# Altium PCB DCI_MB1137 - saved2.PcbDoc (part 1 of 2)
Units mm, origin at the board's own origin, x right, y up, seen from the top; angles counter-clockwise.
Board outline 74.3 x 76.2 mm, 6 copper layers (Top Layer, Top Internal, VDD, GND, Bottom Internal, Bottom Layer), stack 1.114 mm thick; 155 components, 194 nets, 597 pads, 297 vias.
Unrouted connection lines stored in the file: 10.
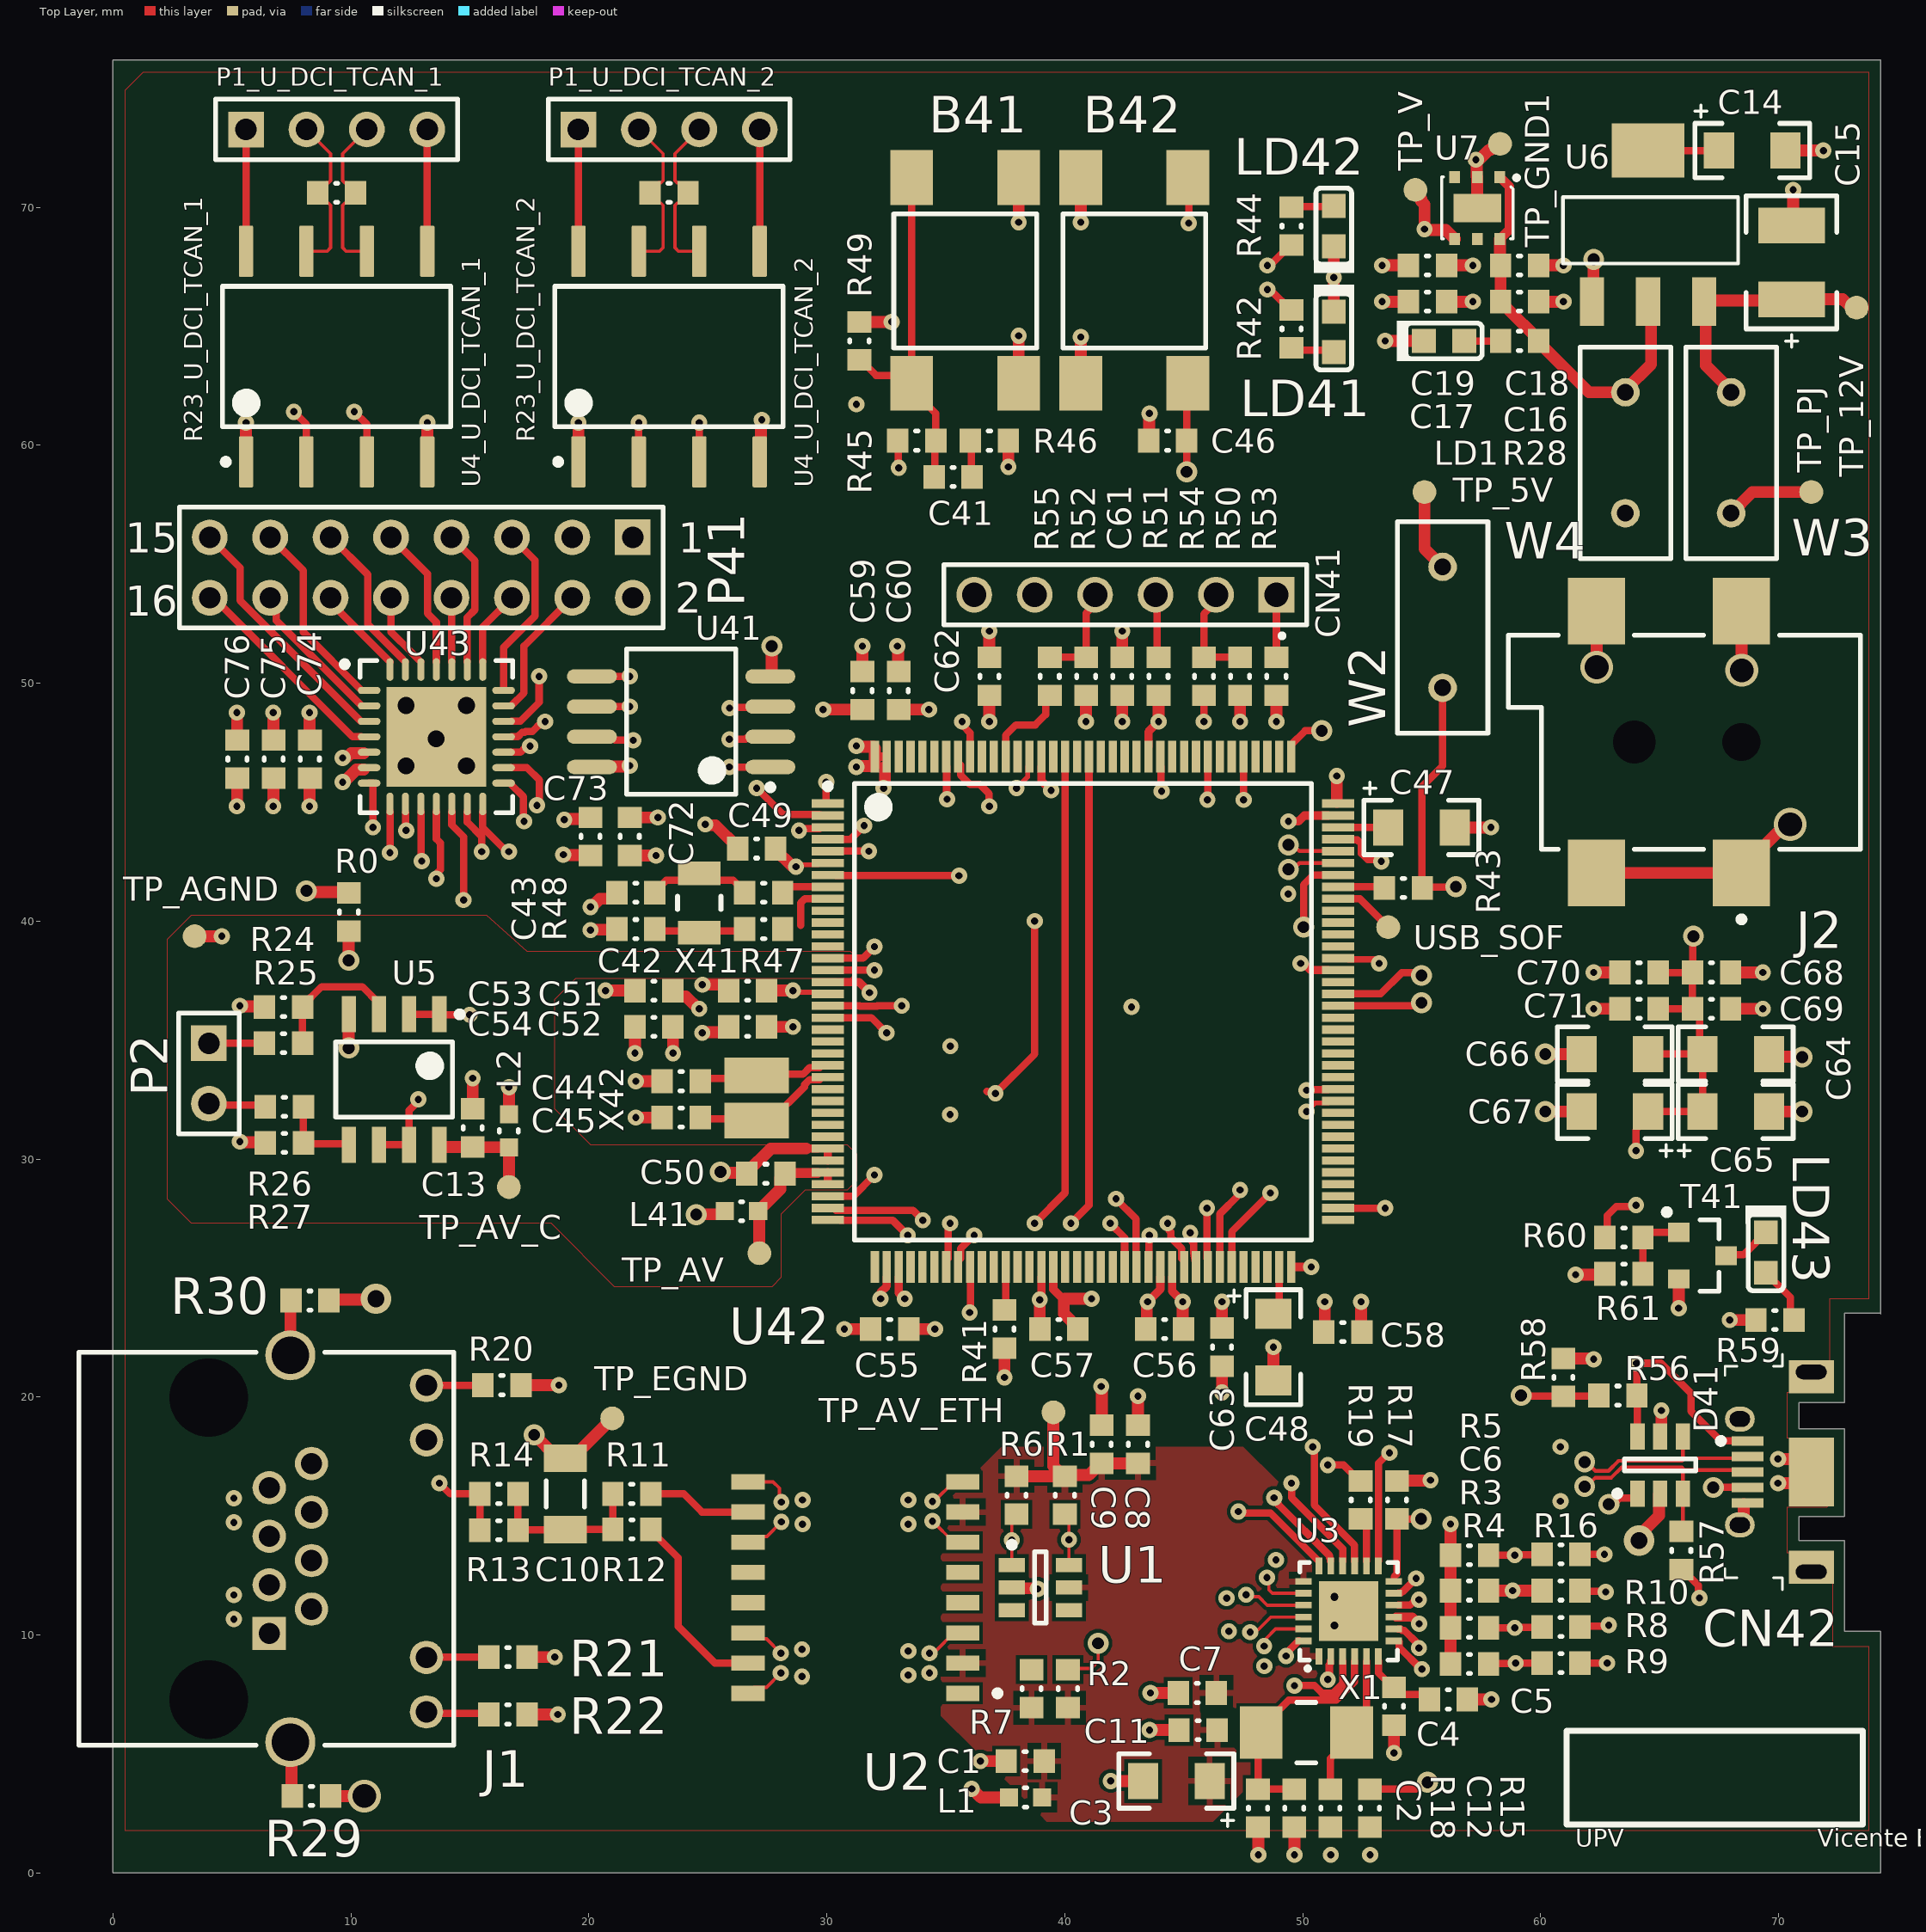
[diagram p0: Top Layer view]
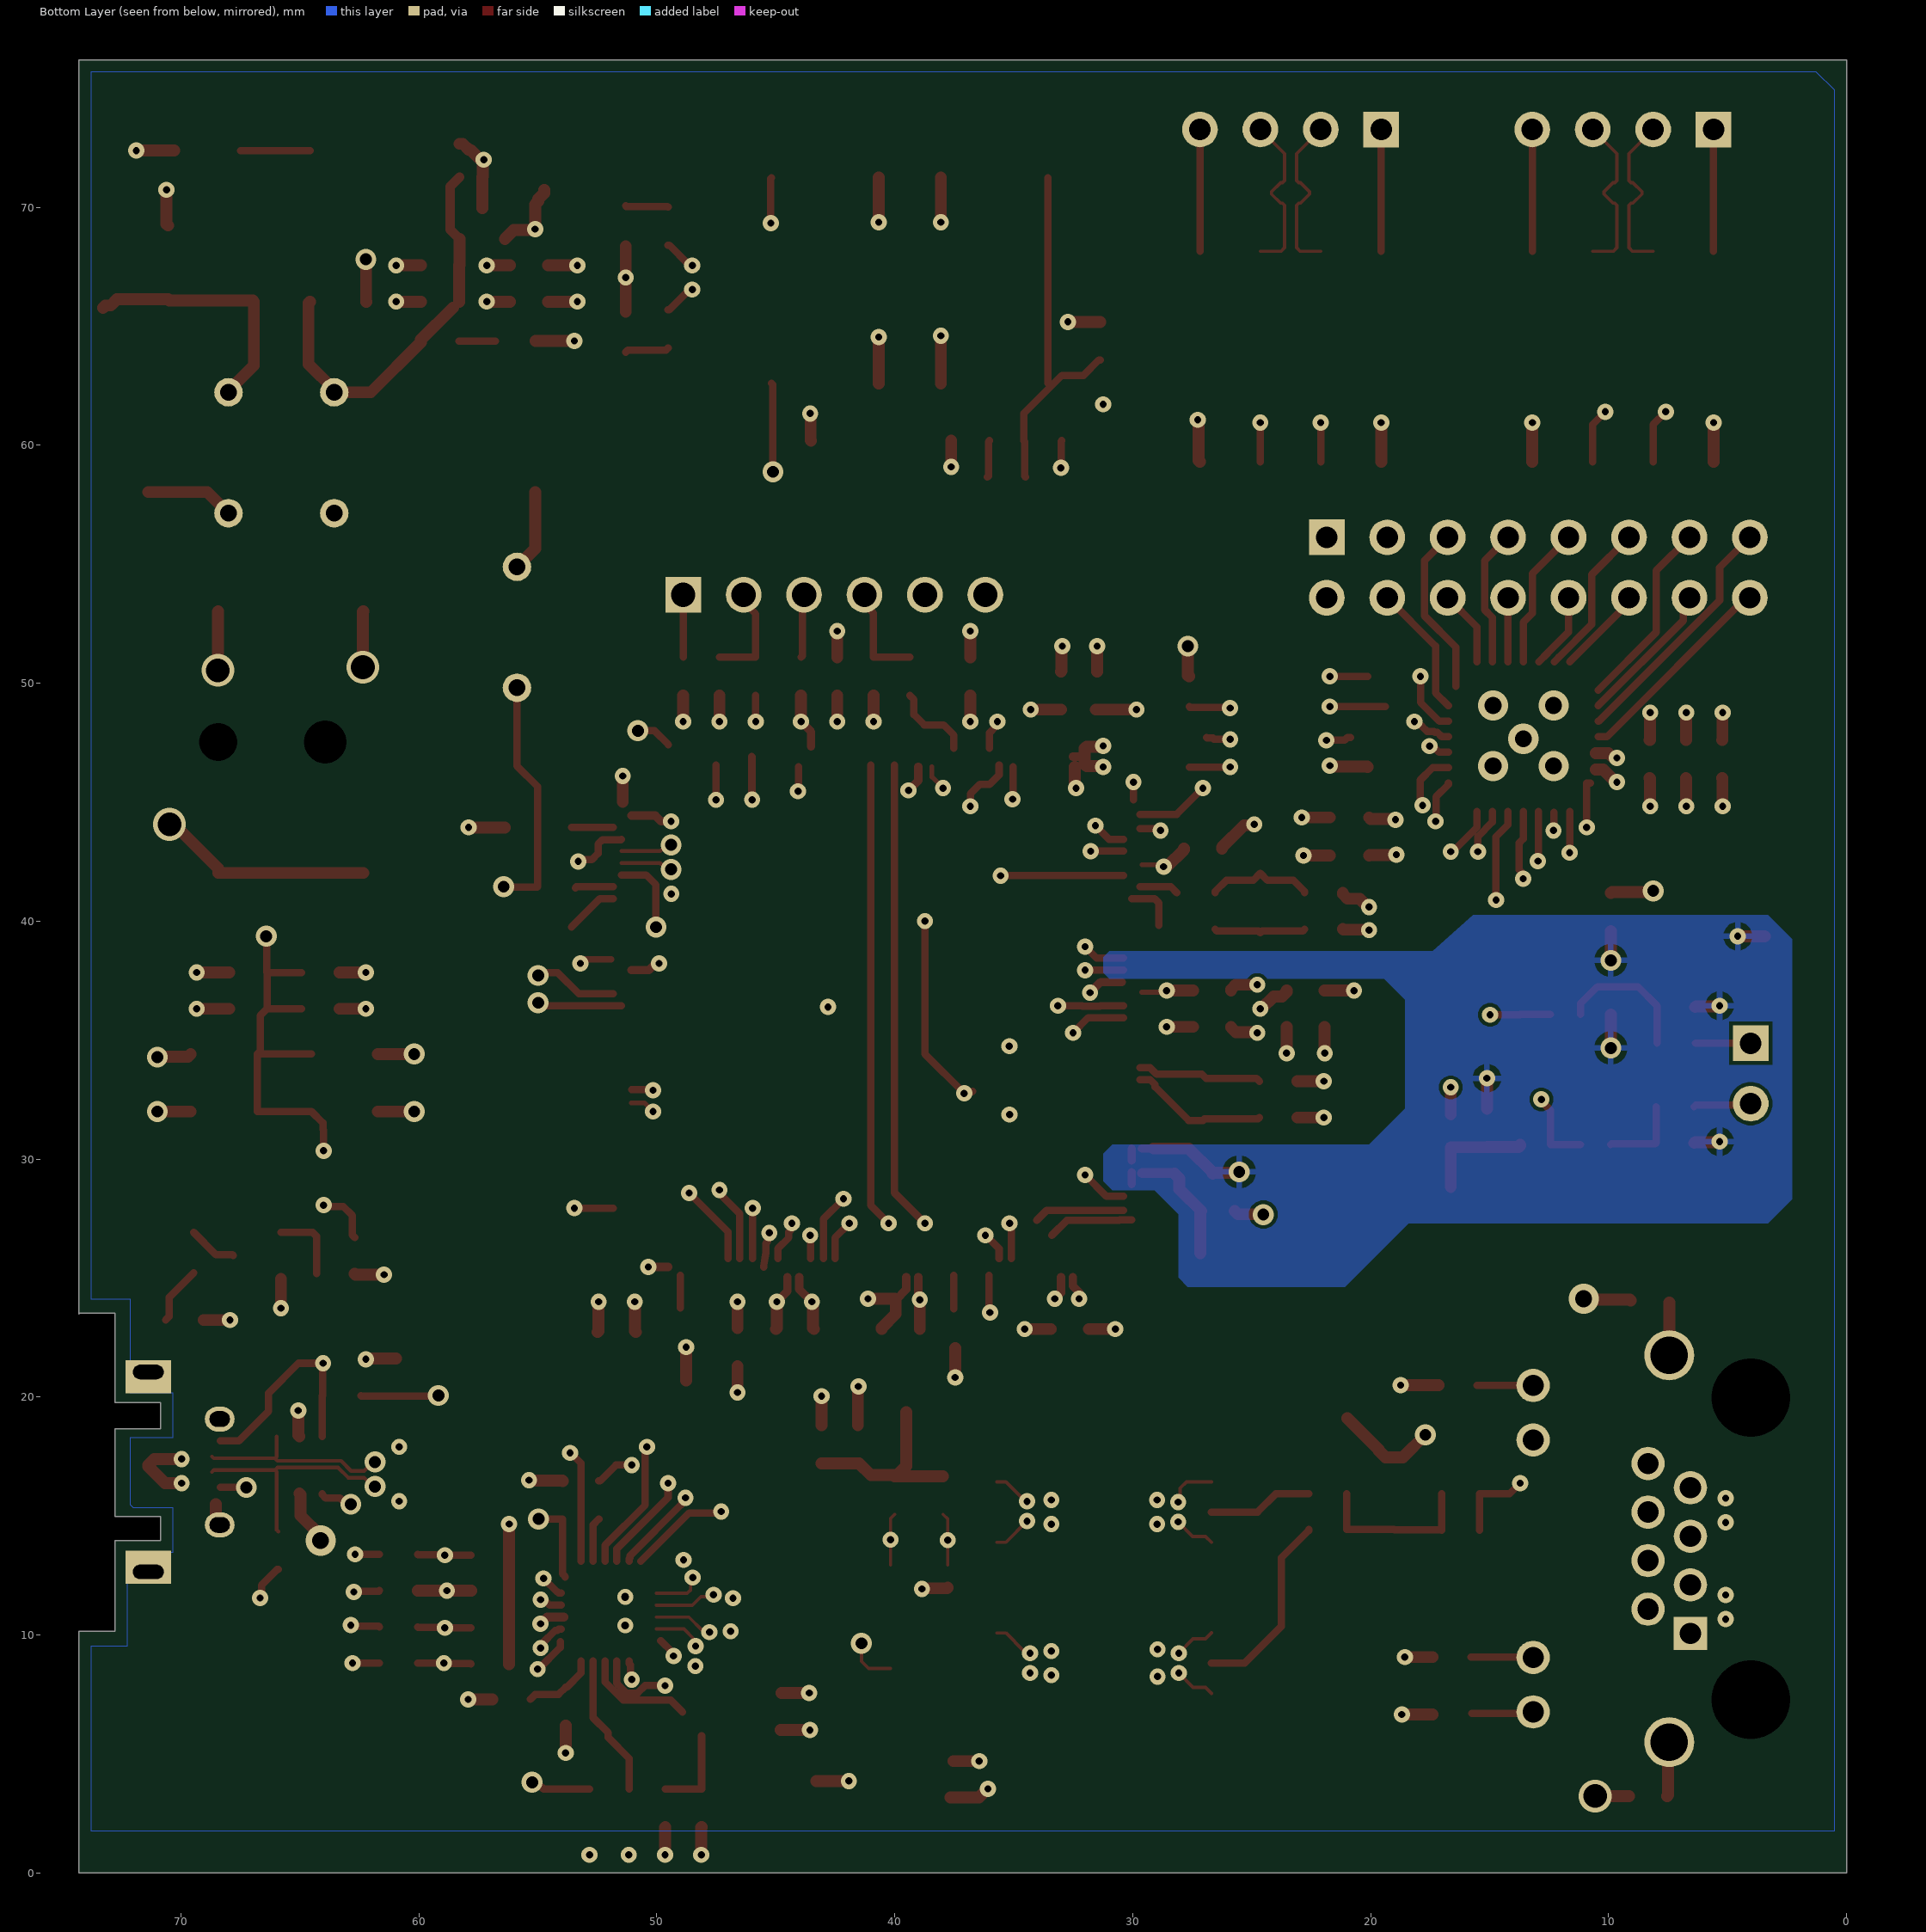
[diagram p1: Bottom Layer view, seen from below]
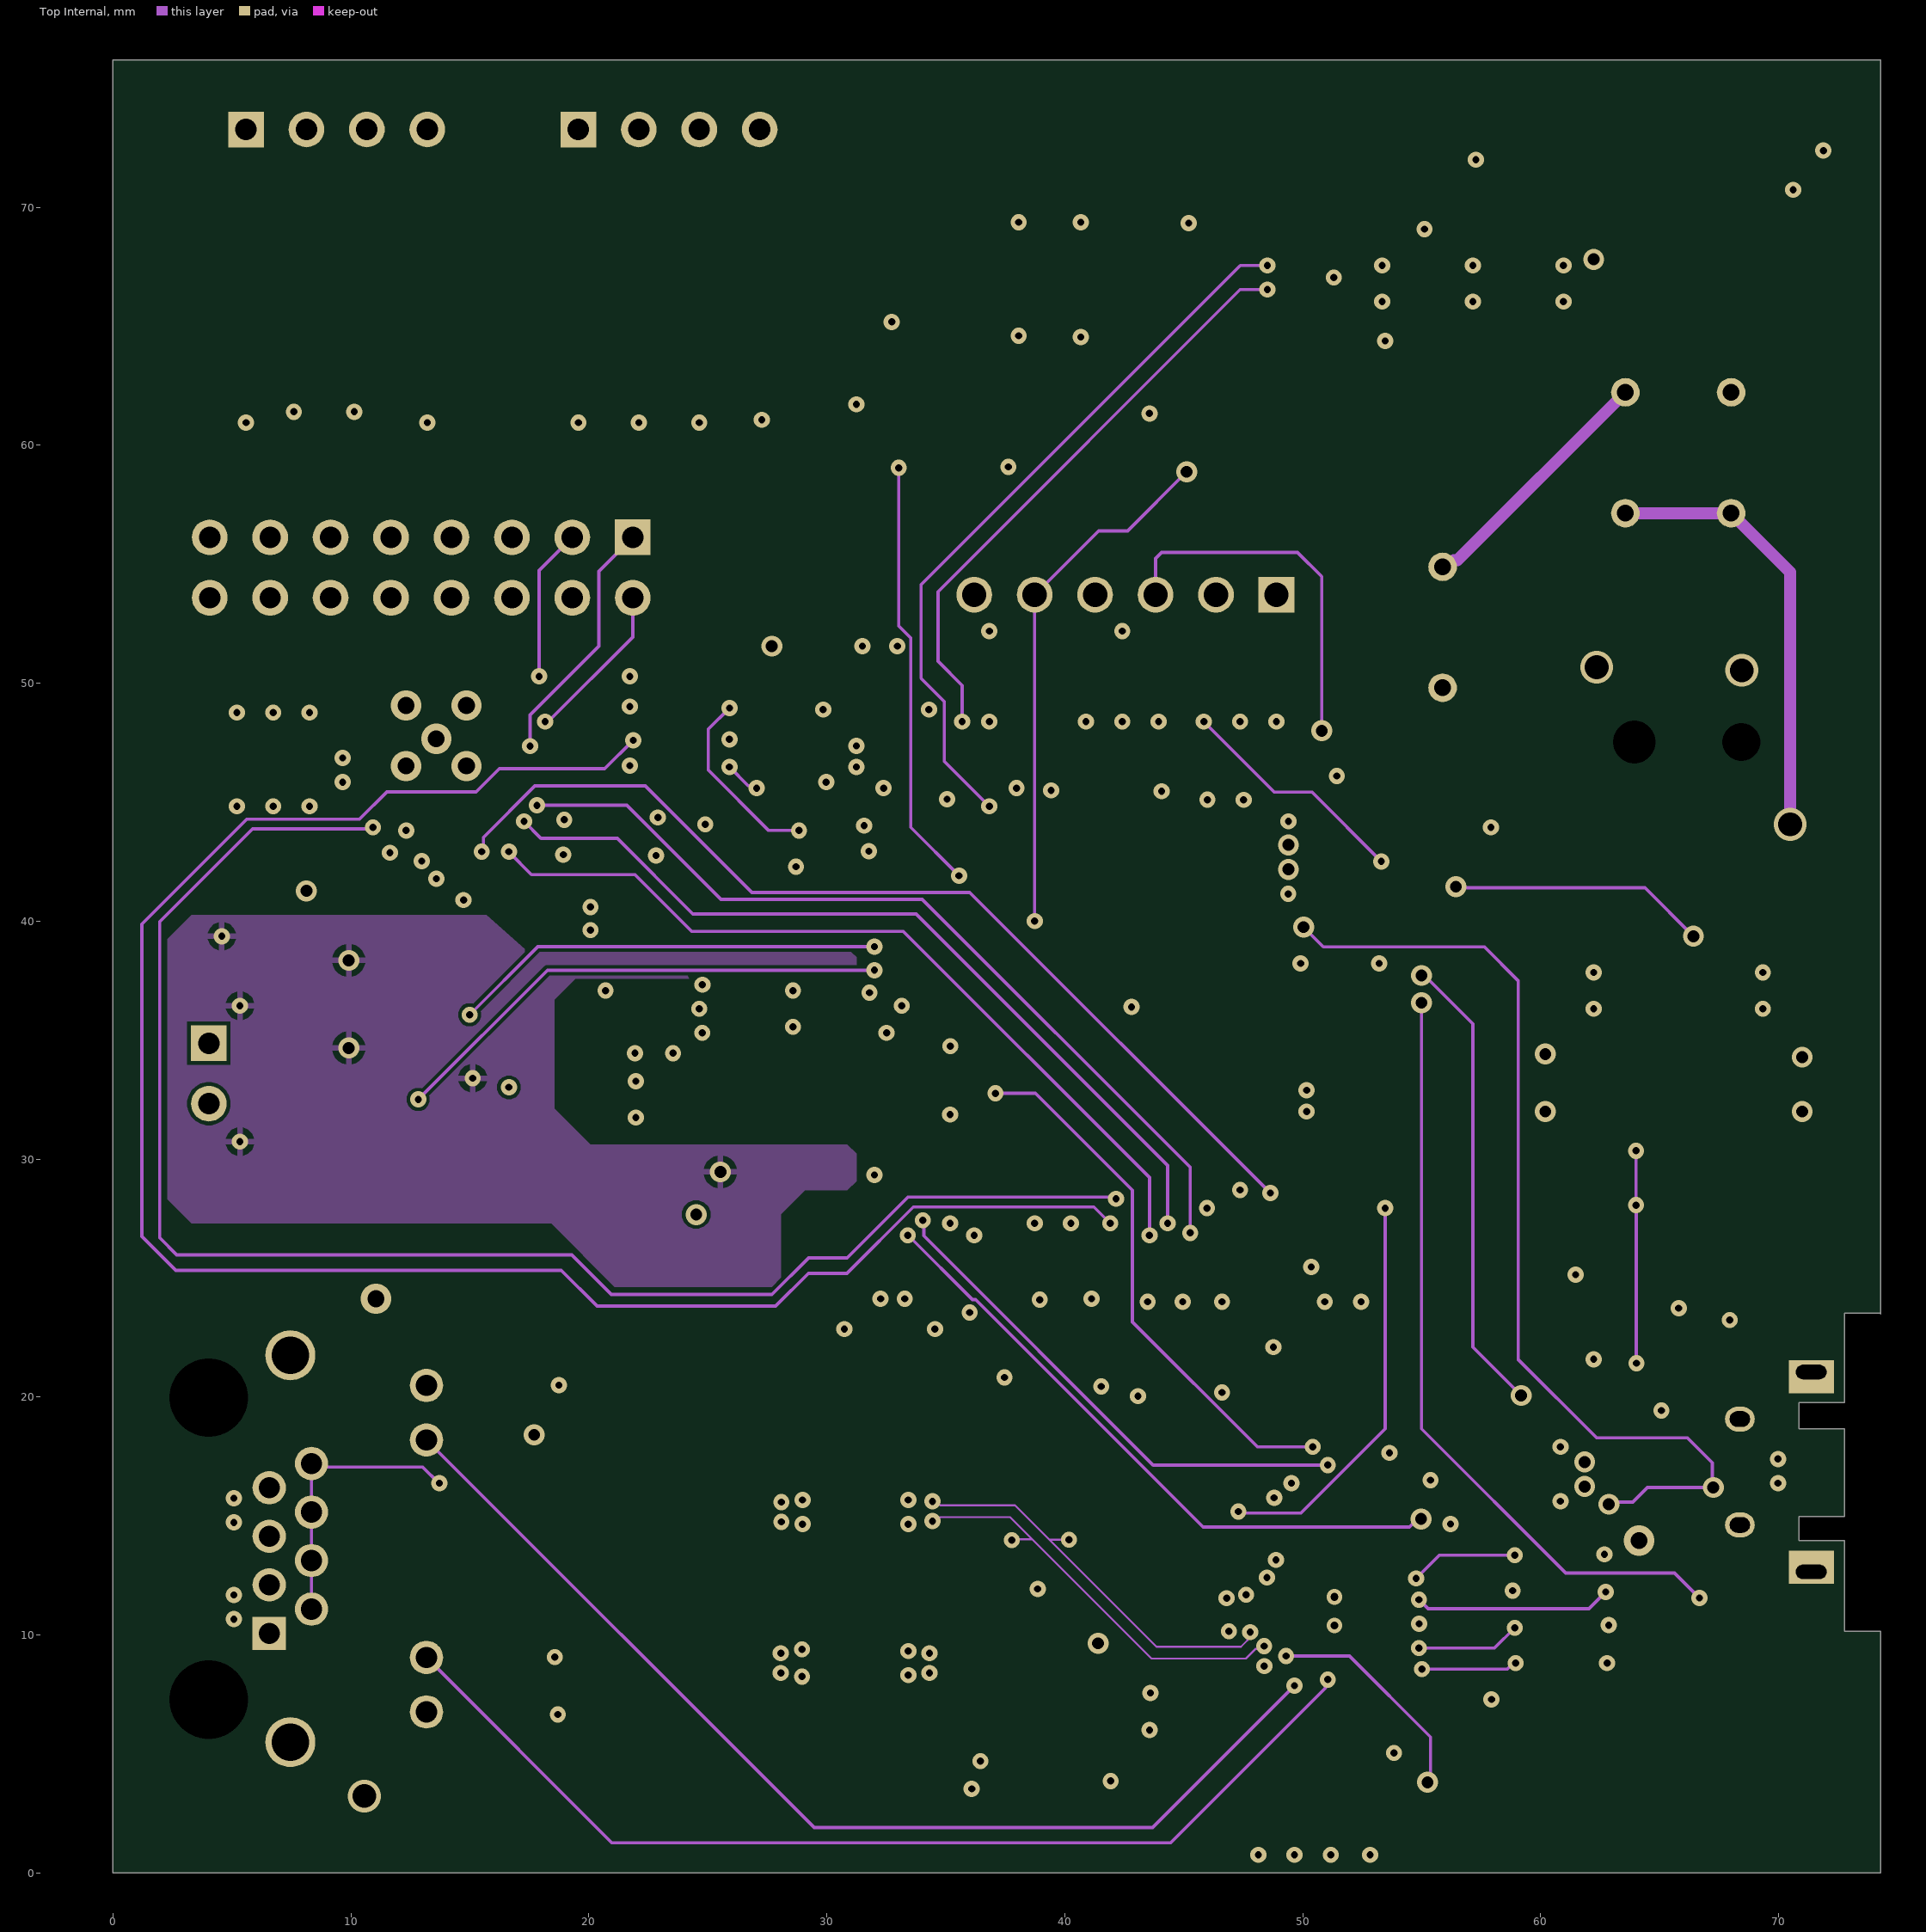
[diagram p2: Top Internal]